# Altium PCB 4-PortUsbHub_PCB.PcbDoc (part 1 of 2)
Units mm, origin at the board's own origin, x right, y up, seen from the top; angles counter-clockwise.
Board outline 151.29 x 151.31 mm, 4 copper layers (L1 (Signal), L2 (GND), L3 (GND), L4 (Signal)), stack 1.591 mm thick; 58 components, 33 nets, 176 pads, 921 vias.
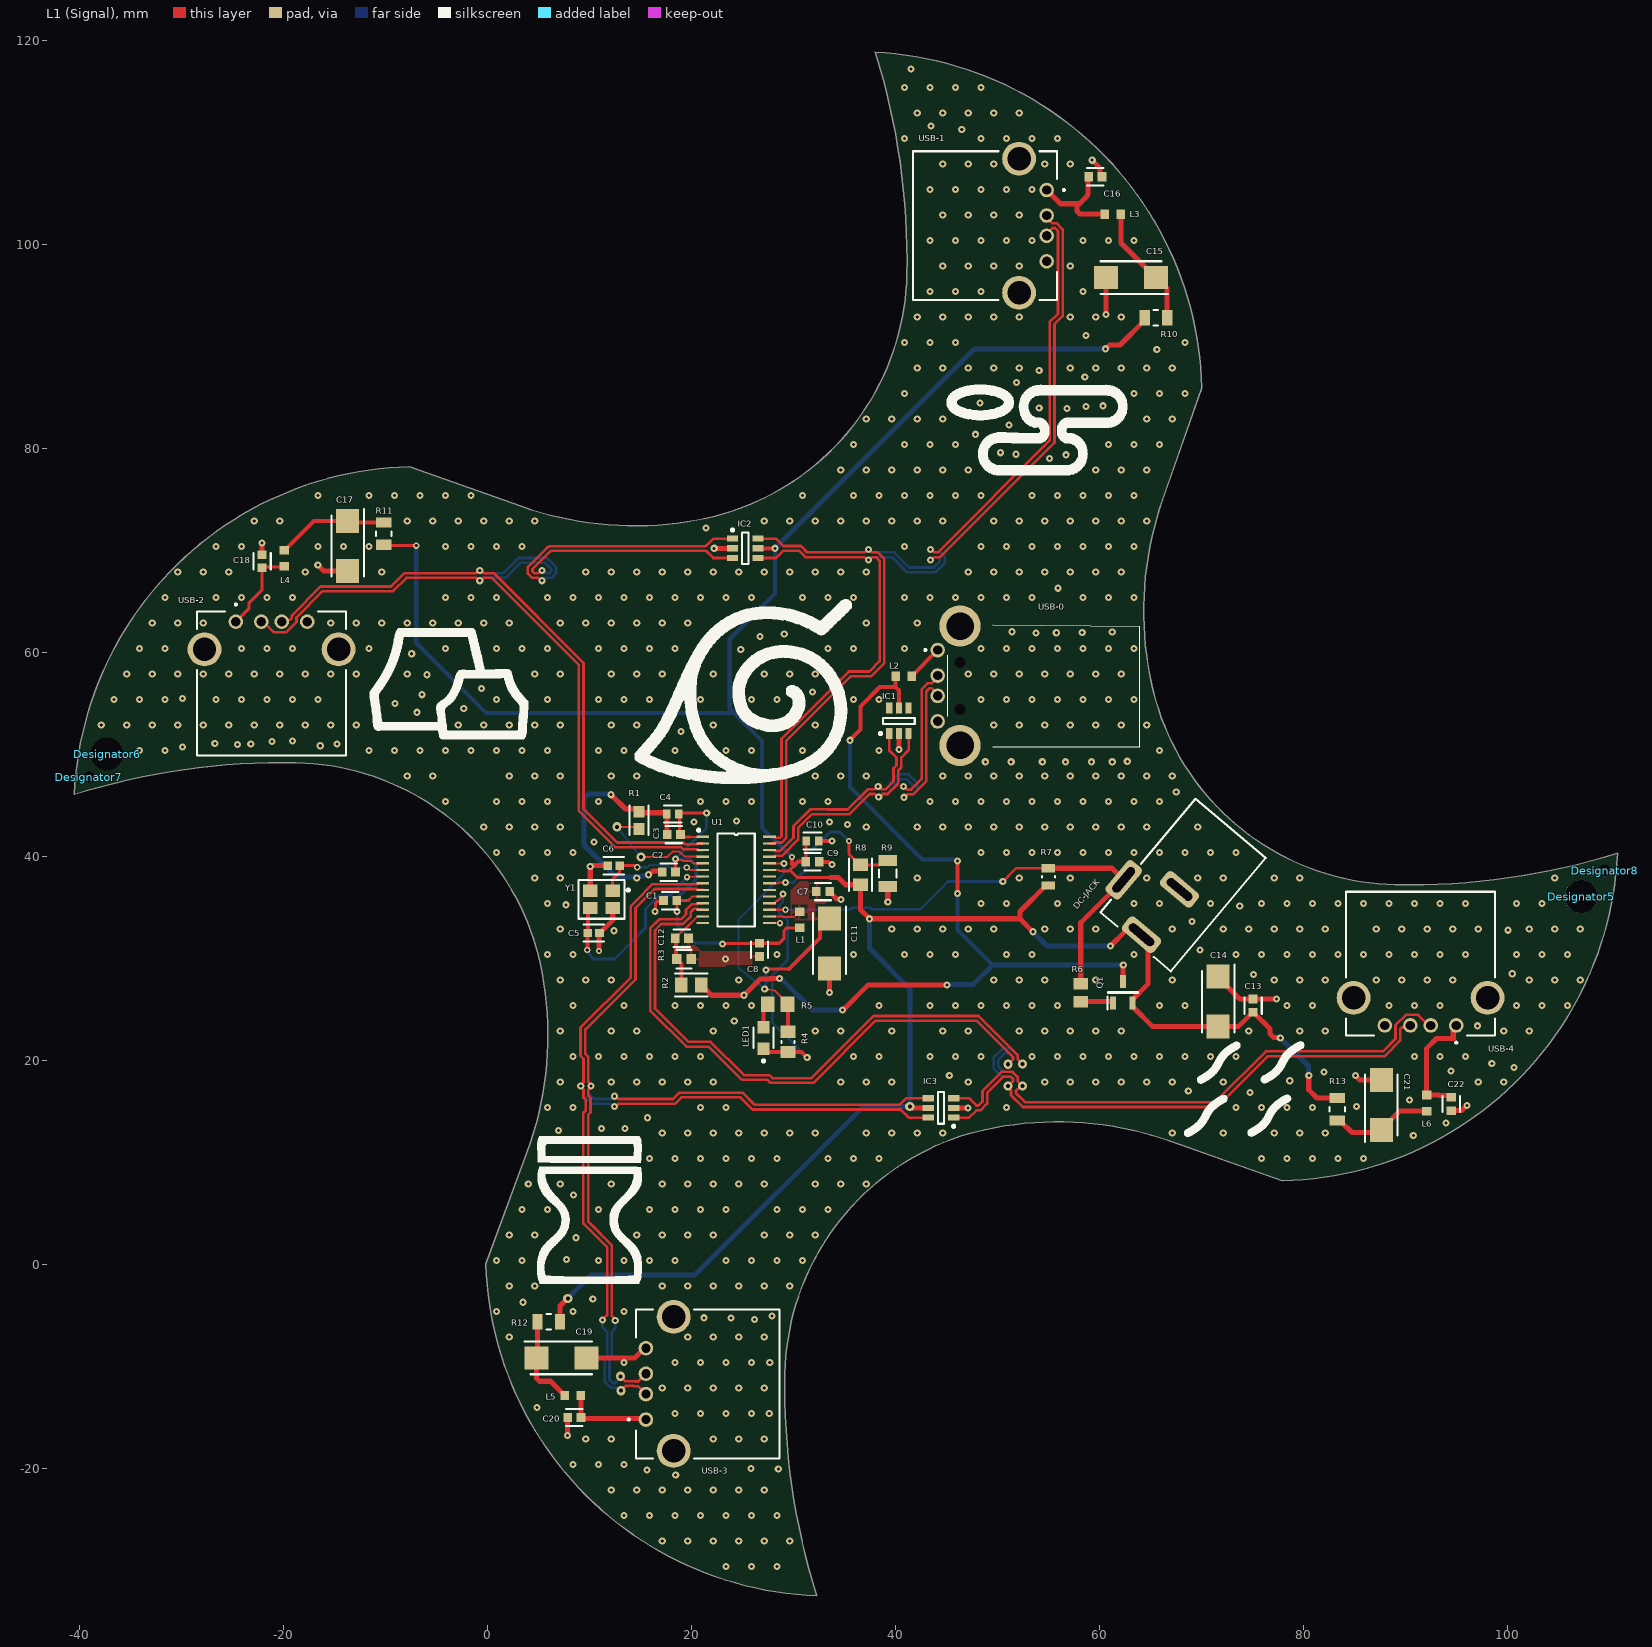
[diagram p0: L1 (Signal) view]
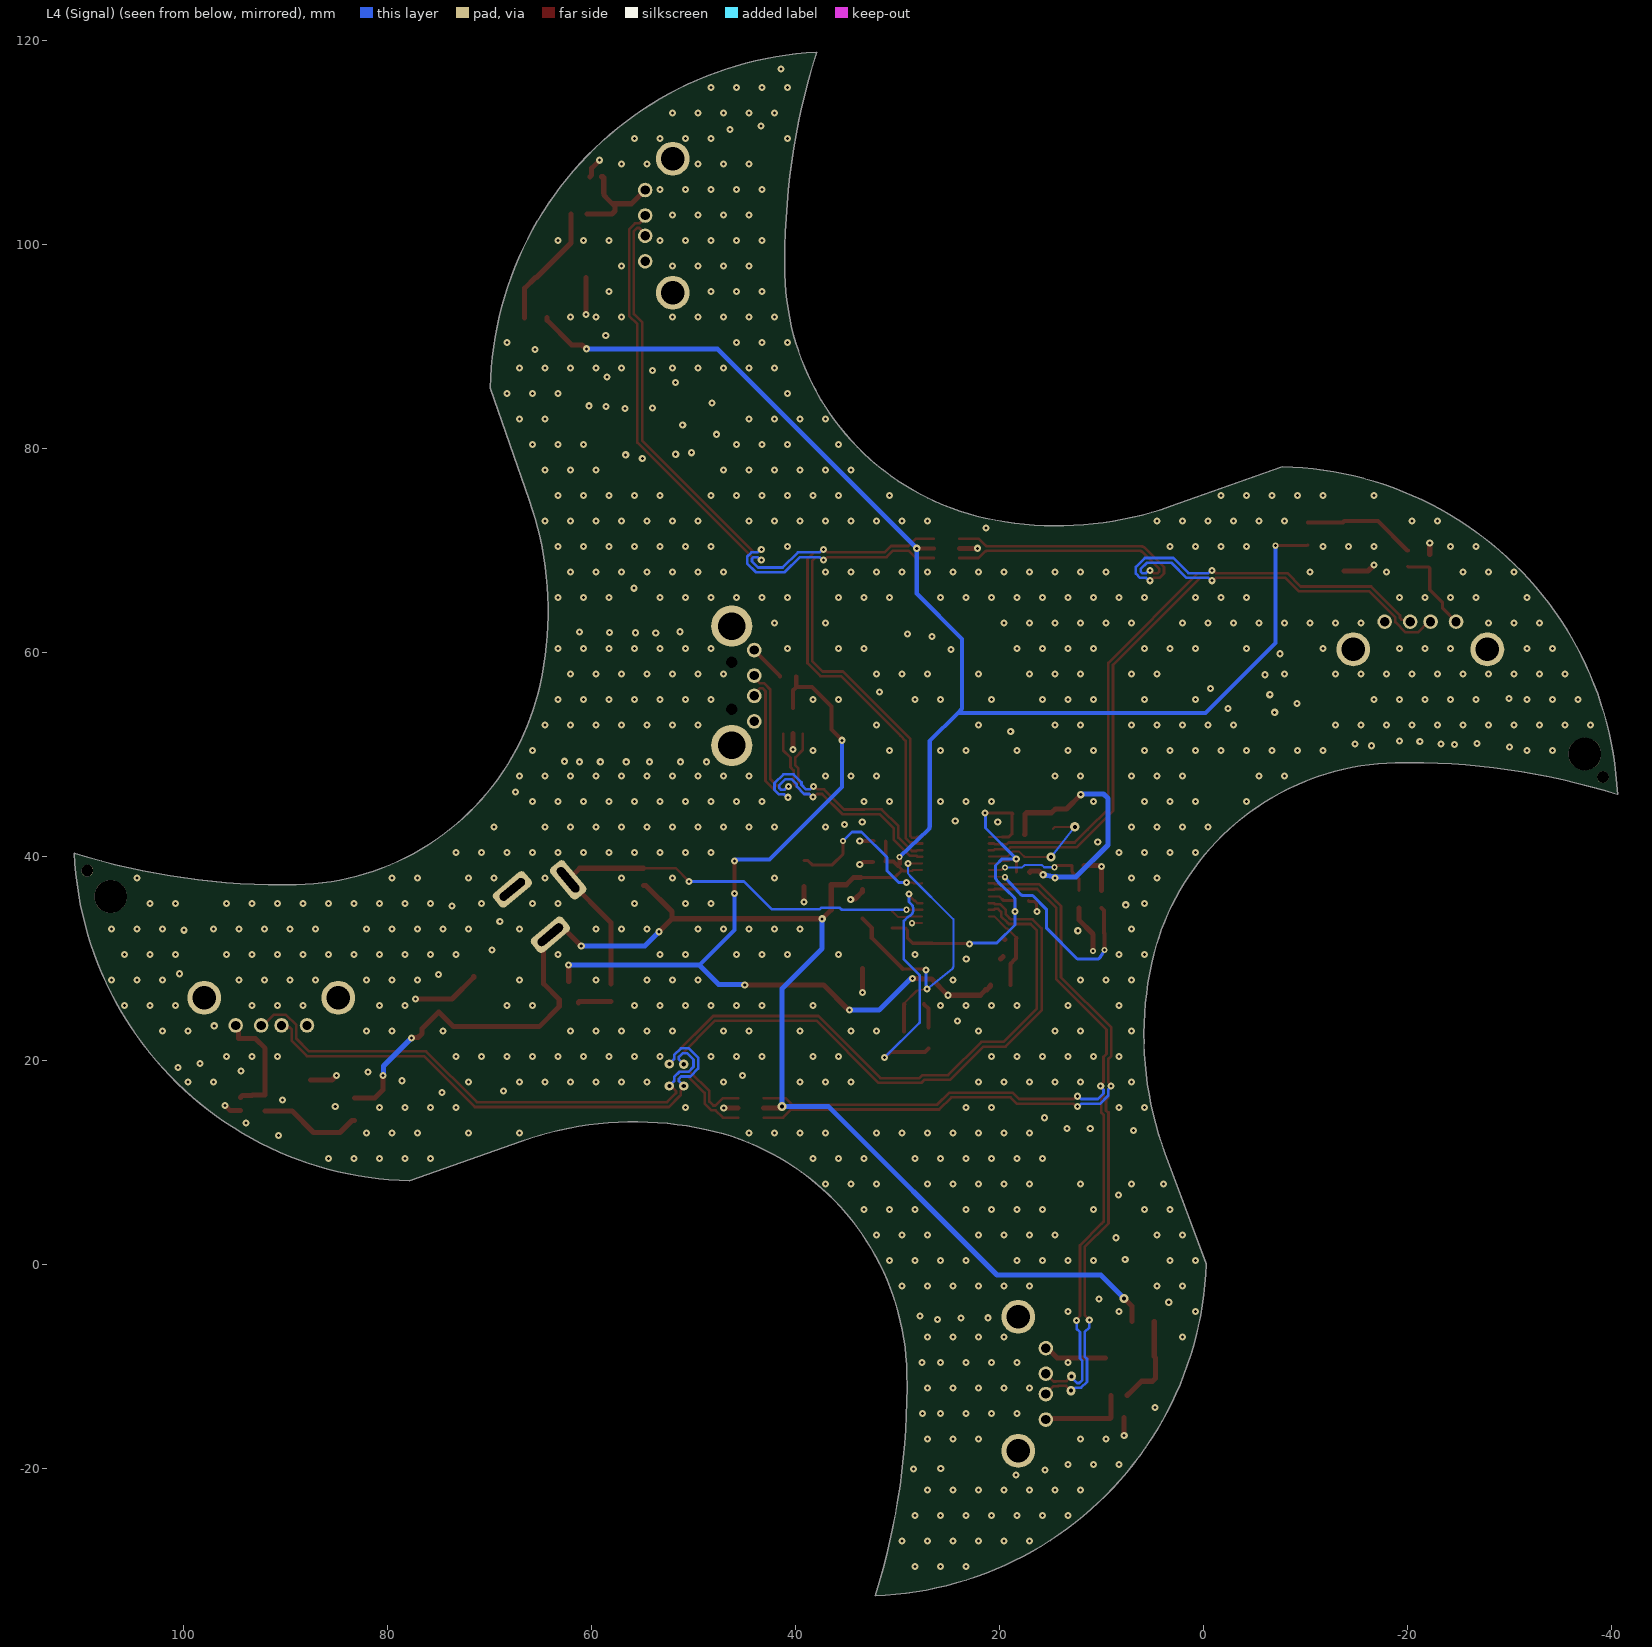
[diagram p1: L4 (Signal) view, seen from below]
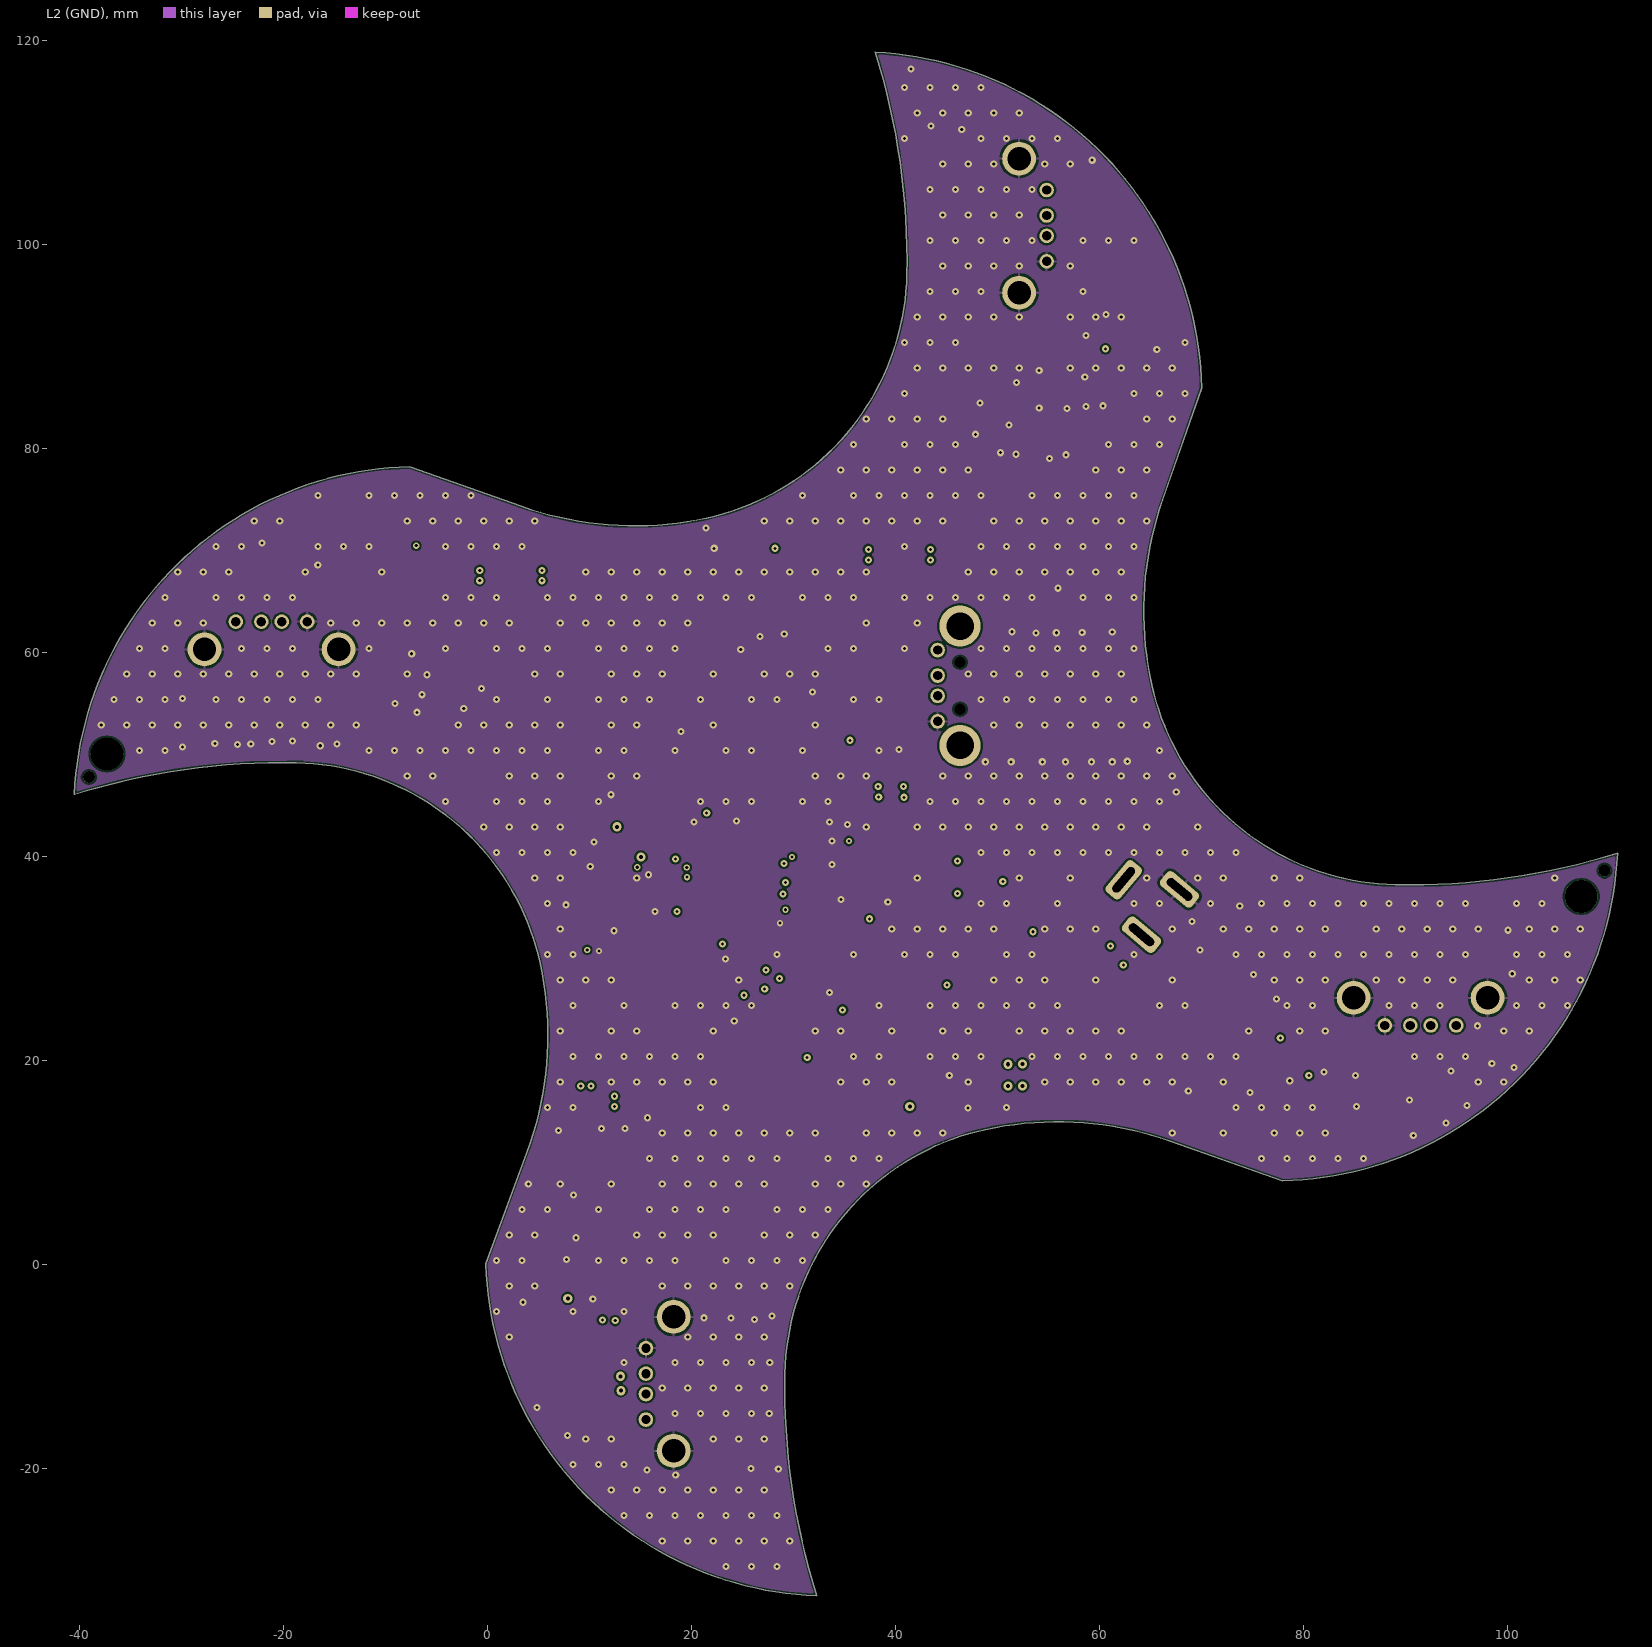
[diagram p2: L2 (GND)]
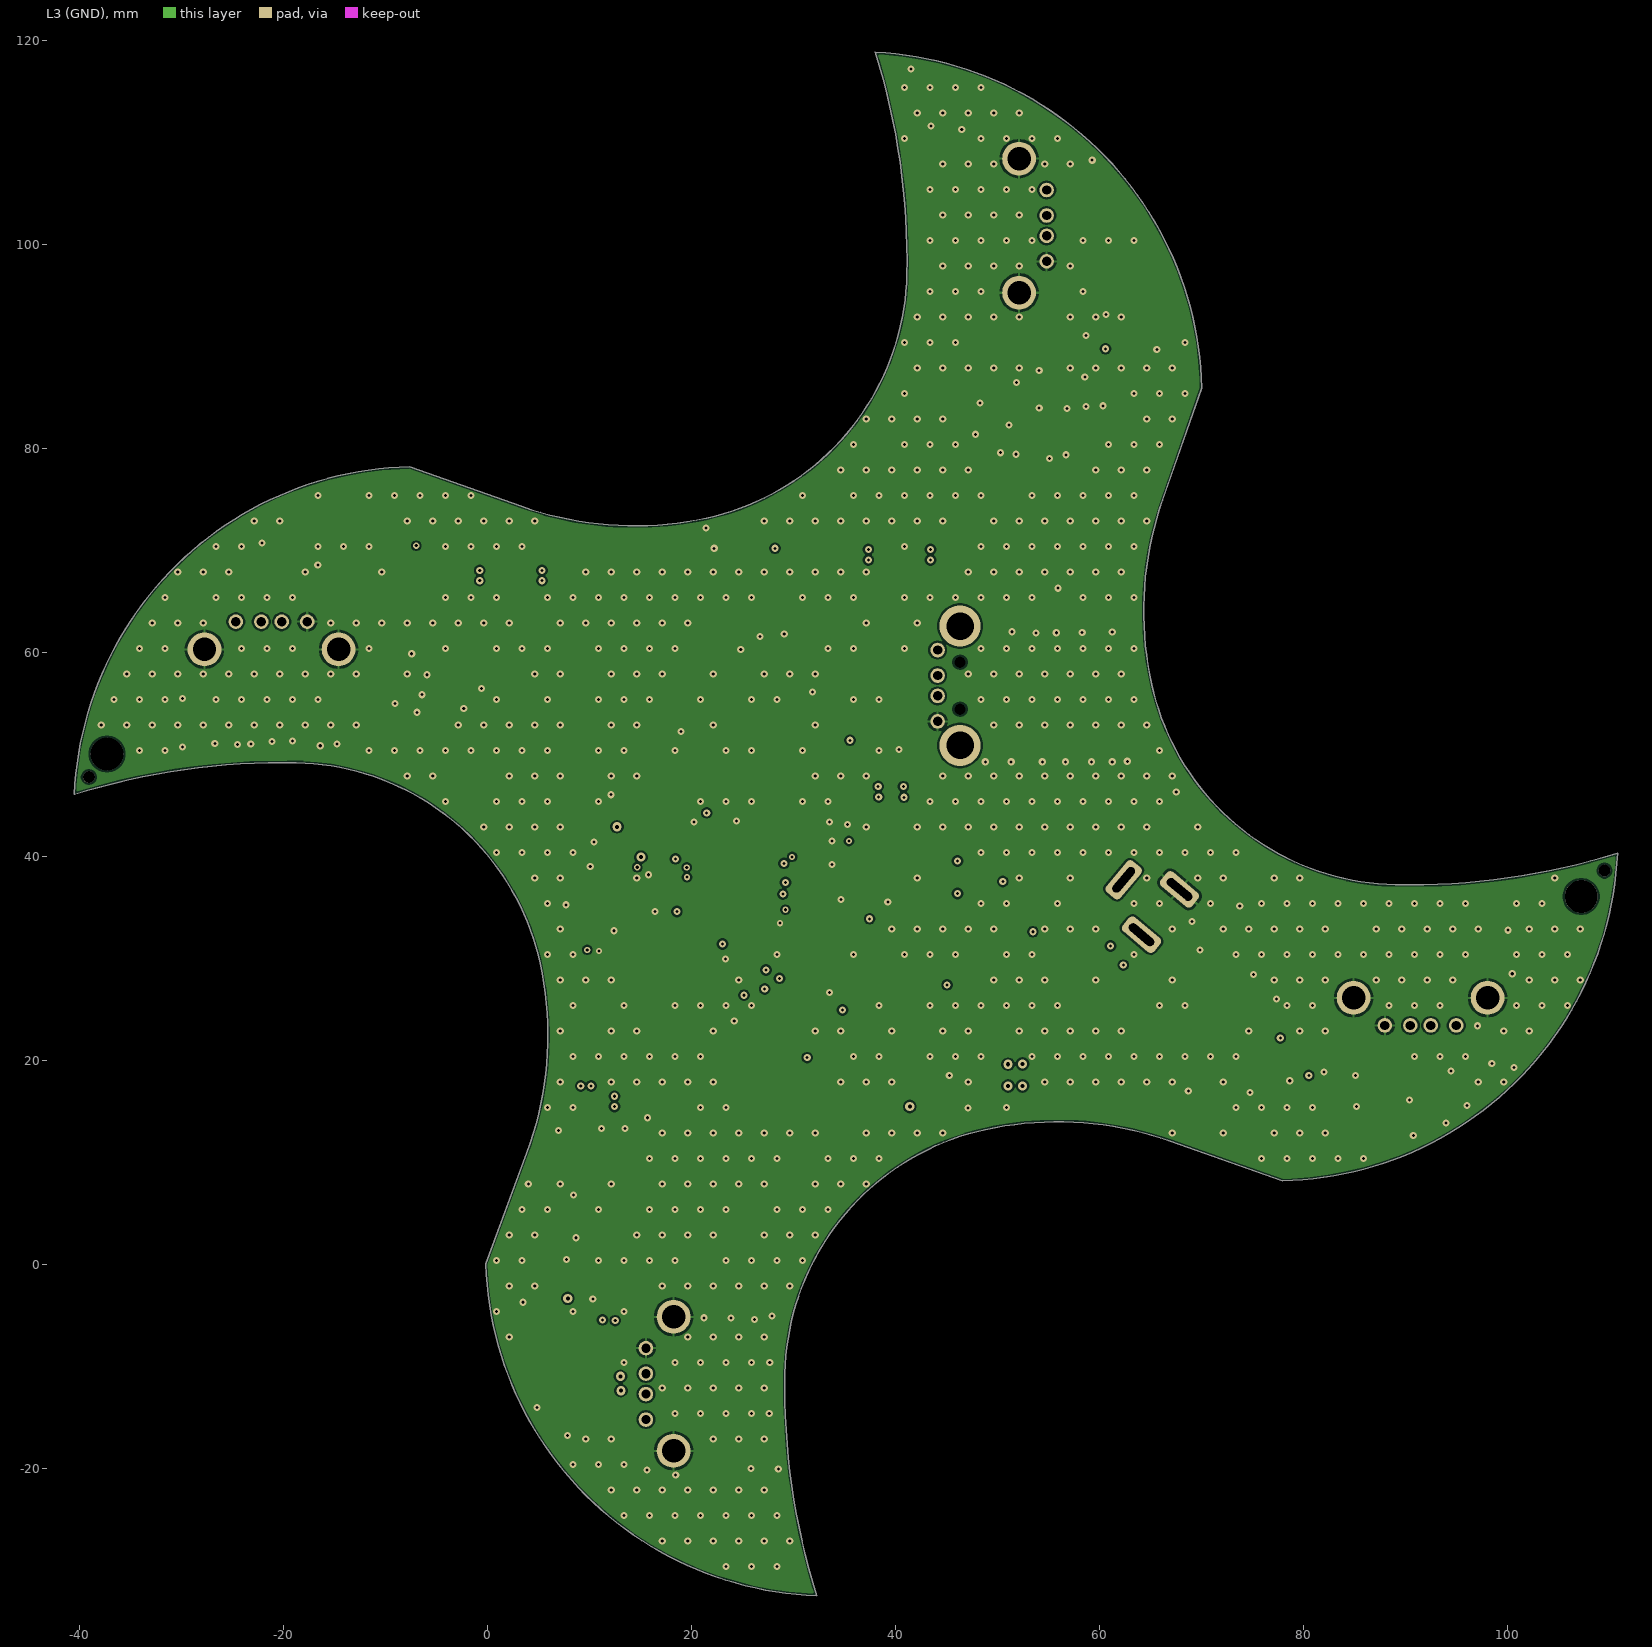
[diagram p3: L3 (GND)]
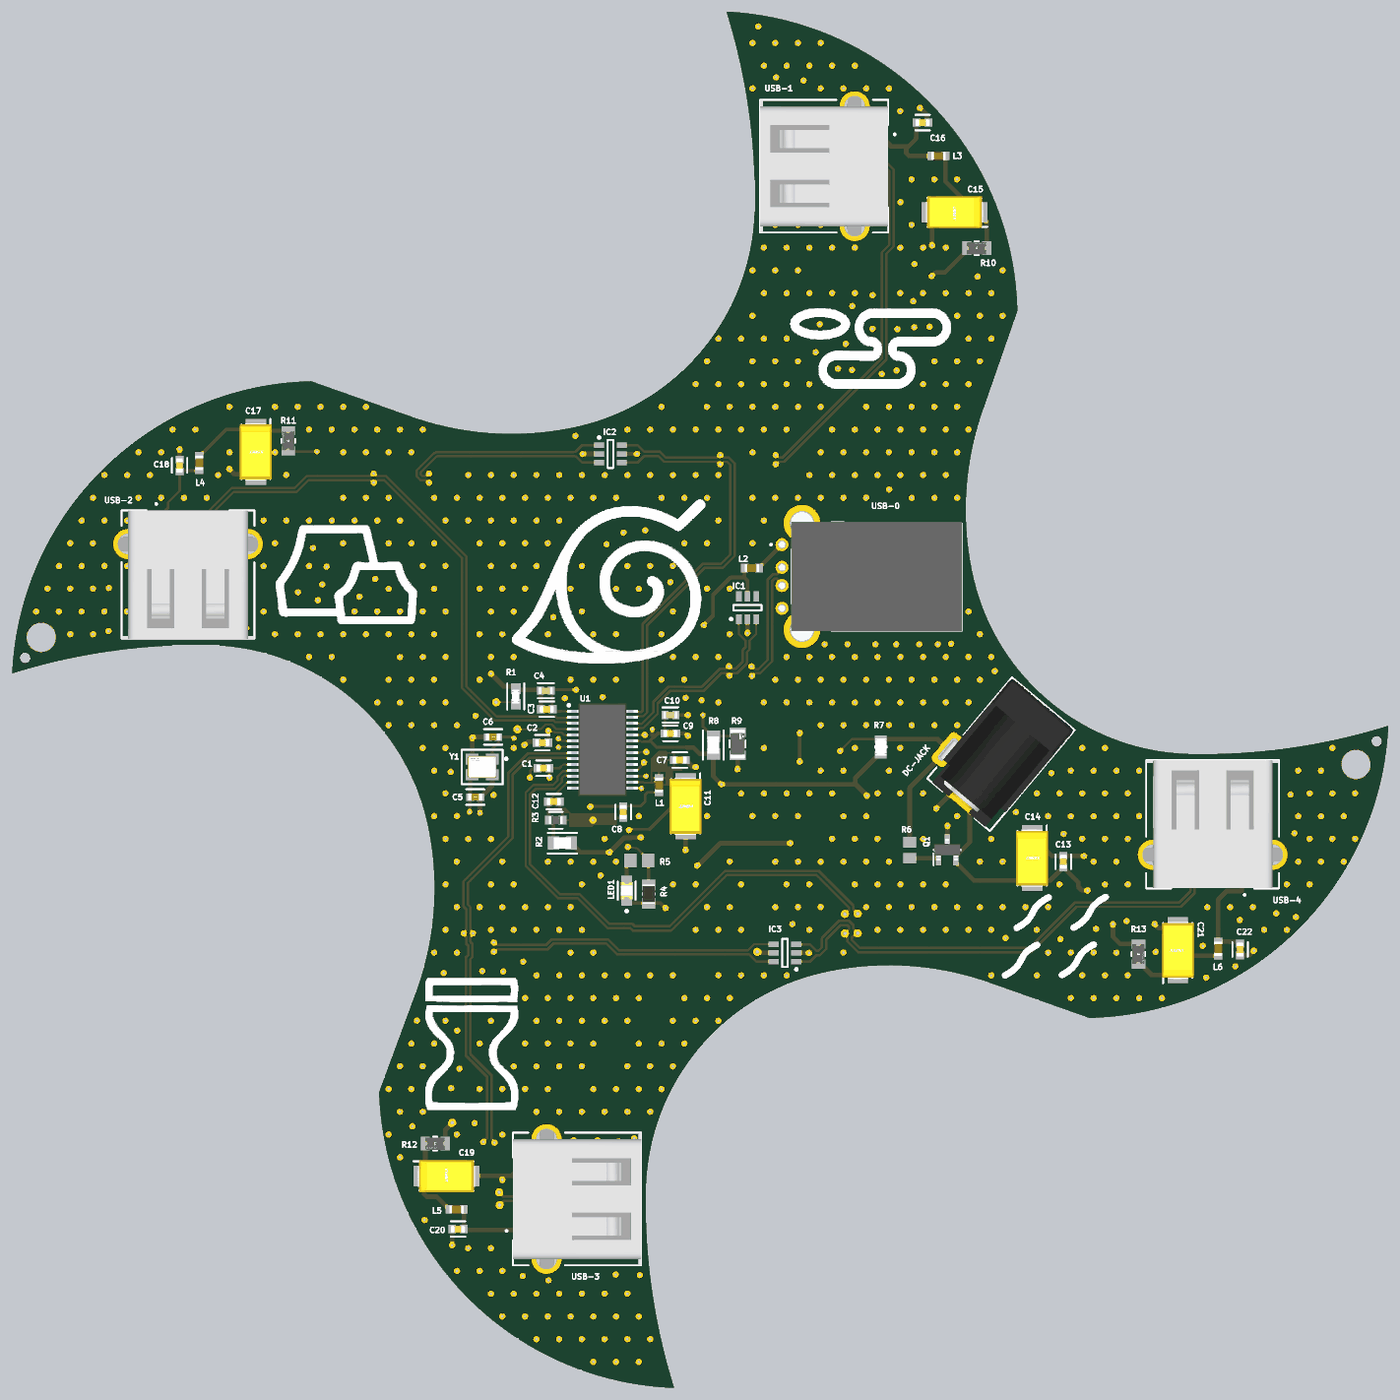
[diagram p5: 3D render of the assembled board from above, using the file's embedded part models]

## Layer stack, top to bottom
Top Solder: solder mask 0.0254, SM-001, Dk 4
L1 (Signal): signal copper 0.035
Dielectric 1: prepreg 0.2104, PP-017, Dk 4.6
L2 (GND): signal copper 0.0175
Dielectric 3: core 1.065, Core-039, Dk 4.6
L3 (GND): signal copper 0.0175
Dielectric 5: prepreg 0.2104, PP-017, Dk 4.6
L4 (Signal): signal copper 0.035
Bottom Solder: solder mask 0.0254, SM-001, Dk 4

## Board outline
-0.205,0.033 3.833,10.955 ccw(c-27.266,22.452) 5.126,29.527 ccw(c-19.282,24.196) -18.774,49.174 ccw(c-20.161,-18.991) -40.542,46.071 cw(c-6.952,44.58) -7.68,78.195 3.296,74.31 ccw(c14.358,105.566) 21.433,73.174 ccw(c16.102,97.582) 41.081,97.074 ccw(c-27.085,98.461) 37.981,118.831 cw(c36.353,85.247) 69.969,85.929 66.141,74.934 ccw(c97.453,64.031) 65.08,56.864 ccw(c89.488,62.198) 88.98,37.219 ccw(c90.367,105.385) 110.748,40.323 cw(c77.158,41.814) 77.886,8.199 66.911,12.084 ccw(c55.848,-19.172) 48.773,13.22 ccw(c54.104,-11.188) 29.126,-10.68 ccw(c97.291,-12.067) 32.237,-32.475 cw(c33.4,1.128)
